# Altium PCB oxo.pcbdoc (part 2 of 3)
Units mm, origin at the board's own origin, x right, y up, seen from the top; angles counter-clockwise.
Board outline 198.24 x 185.82 mm, 6 copper layers (Top Layer, Inner1, Inner2, Inner3, 内层4, Bottom Layer); 54 components, 121 nets, 696 pads, 616 vias.
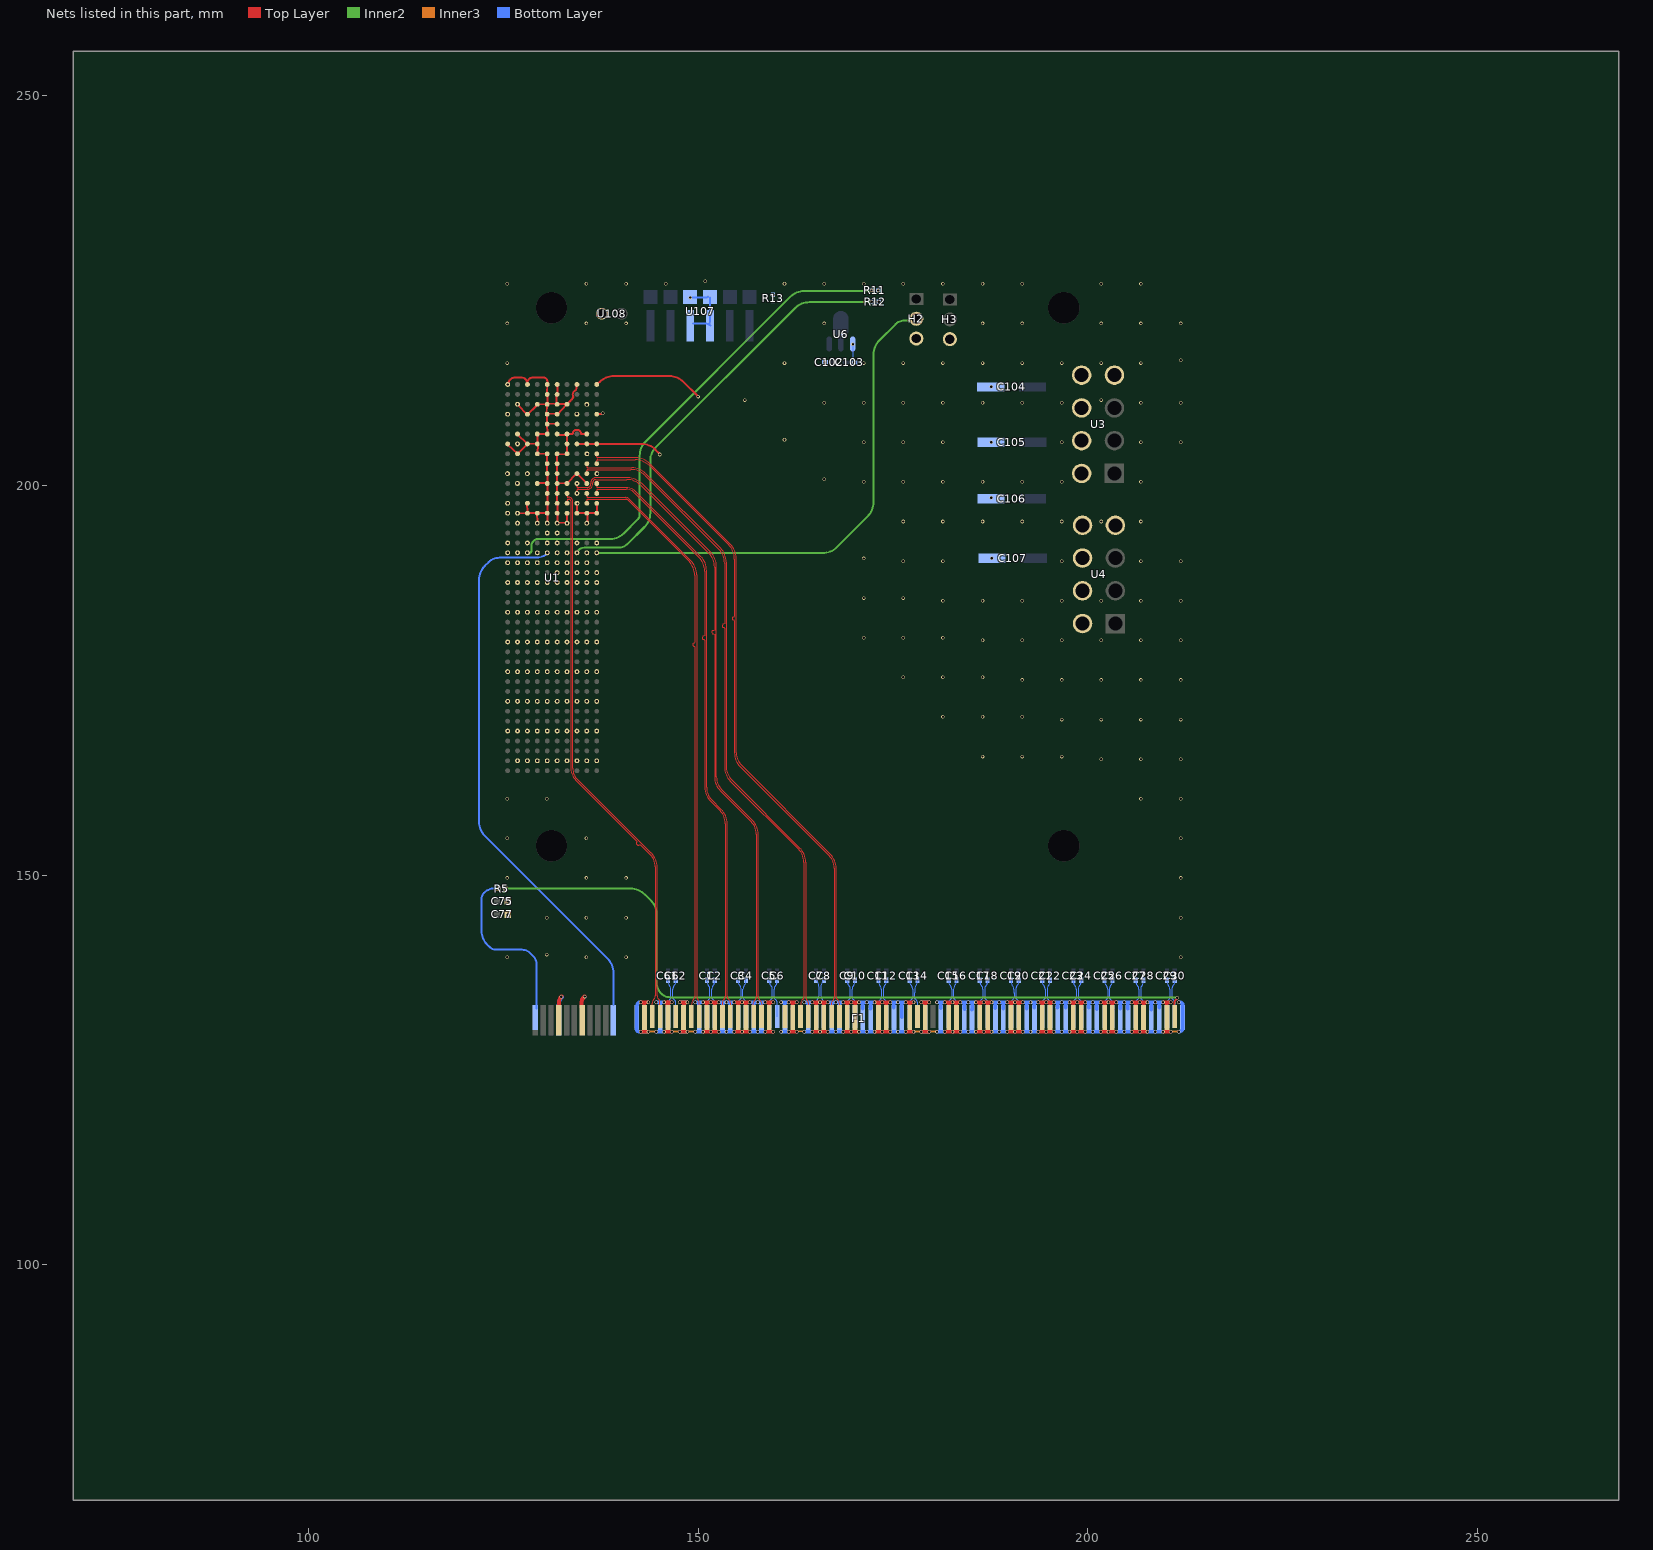
[diagram p6: the nets of this part, all layers, seen from the top]

## Via types
v1: diameter 0.45, hole 0.3, Top Layer to Bottom Layer, 616 vias

## Nets (pads, with @x,y where several pads share a name; then routed paths per layer and width w, separated by ;. In a path a pad name is that pad's centre, name@x,y a point inside that pad or via, vN(x,y) a via of type N, cw(c..) or ccw(c..) an arc to the next point about the centre after c; other vN are vias at no path point) (continued)
GND: C75.2 C77.2 C102.1 C103.1 C104.2 C105.2 C106.2 C107.2 F1.A4 F1.A12 F1.A15 F1.A18 F1.A20 F1.A23 F1.A24 F1.A27 F1.A28 F1.A31 F1.A34 F1.A37 F1.A38 F1.A41 F1.A42 F1.A45 F1.A46 F1.A49 F1.A51 F1.A54 F1.A55 F1.A58 F1.A59 F1.A62 F1.A63 F1.A66 F1.A67 F1.A70 F1.A71 F1.A74 F1.A75 F1.A78 F1.A79 F1.A82 F1.B4 F1.B7 F1.B13 F1.B16 F1.B18 F1.B21 F1.B22 F1.B25 F1.B26 F1.B29 F1.B32 F1.B35 F1.B36 F1.B39 F1.B40 F1.B43 F1.B44 F1.B47 F1.B49 F1.B52 F1.B53 F1.B56 F1.B57 F1.B60 F1.B61 F1.B64 F1.B65 F1.B68 F1.B69 F1.B72 F1.B73 F1.B76 F1.B77 F1.B80 H2.3 H3.3 R11.2 R12.2 R13.2 U1.A1 U1.A4 U1.A7 U1.A10 U1.A13 U1.A14 U1.A17 U1.A21 U1.A24 U1.A27 U1.A30 U1.A33 U1.A36 U1.A39 U1.B3 U1.B6 U1.B7 U1.B8 U1.B11 U1.B14 U1.B15 U1.B18 U1.B19 U1.B21 U1.B24 U1.B27 U1.B30 U1.B33 U1.B36 U1.B39 U1.C1 U1.C4 U1.C7 U1.C10 U1.C13 U1.C14 U1.C17 U1.C21 U1.C24 U1.C27 U1.C30 U1.C33 U1.C36 U1.C39 U1.D3 U1.D6 U1.D7 U1.D8 U1.D11 U1.D14 U1.D15 U1.D18 U1.D19 U1.D21 U1.D24 U1.D27 U1.D30 U1.D33 U1.D36 U1.D39 U1.E1 U1.E2 U1.E3 U1.E4 U1.E5 U1.E6 U1.E8 U1.E9 U1.E10 U1.E11 U1.E12 U1.E13 U1.E14 U1.E15 U1.E16 U1.E17 U1.E19 U1.E21 U1.E24 U1.E27 U1.E30 U1.E33 U1.E36 U1.E39 U1.F1 U1.F2 U1.F3 U1.F4 U1.F5 U1.F6 U1.F8 U1.F9 U1.F10 U1.F11 U1.F12 U1.F13 U1.F14 U1.F15 U1.F16 U1.F17 U1.F19 U1.F21 U1.F24 U1.F27 U1.F30 U1.F33 U1.F36 U1.F39 U1.G3 U1.G6 U1.G7 U1.G8 U1.G11 U1.G14 U1.G15 U1.G18 U1.G19 U1.G21 U1.G24 U1.G27 U1.G30 U1.G33 U1.G36 U1.G39 U1.H1 U1.H4 U1.H7 U1.H10 U1.H13 U1.H14 U1.H17 U1.H19 U1.H21 U1.H24 U1.H27 U1.H30 U1.H33 U1.H36 U1.H39 U1.J3 U1.J6 U1.J8 U1.J11 U1.J14 U1.J15 U1.J18 U1.J19 U1.J21 U1.J24 U1.J27 U1.J30 U1.J33 U1.J36 U1.J39 U1.K1 U1.K4 U1.K7 U1.K10 U1.K13 U1.K14 U1.K17 U1.K19 U1.K21 U1.K24 U1.K27 U1.K30 U1.K33 U1.K36 U3.4 U3.5 U3.6 U3.7 U3.8 U4.4 U4.5 U4.6 U4.7 U4.8 U6.1 U107.3 U107.4 U108.2 | length 324.8
  Top Layer w0.254: U1.K7@125.584,205.216 U1.J8@126.852,204.012 ; U1.K1@125.657,212.927 cw(c126.552,212.927) 126.552,213.822 127.328,213.822 cw(c127.328,213.073) U1.H1@128.077,213.073 ; U1.J6@126.725,206.484 126.861,206.493 U1.J6@126.904,206.496 ; U1.J14@126.839,196.434 U1.H14@128.137,196.401 ; U1.J3@126.852,210.357 U1.H4@128.097,208.991 ; U1.J8@126.881,204.012 U1.H7@128.091,205.234 ; U1.J6@126.882,206.473 U1.H7@128.027,205.39 ; U1.H13@128.073,197.74 U1.H14@128.146,196.473 ; U1.H4@128.079,209.049 U1.G3@129.353,210.287 ; U1.H1@128.104,213.069 128.104,213.127 cw(c128.783,213.127) 128.783,213.807 130.211,213.807 cw(c130.211,213.359) 130.659,213.359 U1.F1@130.659,212.944 ; U1.H7@128.126,205.326 129.405,205.28 U1.G7@129.405,205.245 ; U1.H14@128.146,196.436 U1.G14@129.342,196.436 ; U1.G14@129.34,196.473 U1.G14@129.342,196.436 ; U1.G3@129.365,210.345 130.654,210.419 U1.F4@130.563,209.147 ; U1.G15@129.377,195.241 U1.G14@129.342,196.436 ; U1.G11@129.377,200.275 U1.F11@130.499,200.275 ; U1.G7@129.405,205.308 U1.G6@129.405,206.519 ; U1.G7@129.406,205.28 U1.G7@129.411,205.28 ; U1.G7@129.449,205.308 129.377,204.004 U1.F8@130.608,204.04 ; U1.G6@129.486,206.571 U1.F6@130.672,206.565 ; U1.F14@130.608,196.436 U1.G14@129.342,196.436 ; U1.F2@130.609,211.816 U1.F1@130.654,212.904 ; U1.F4@130.615,209.205 U1.E4@131.981,209.112 ; U1.F4@130.616,209.148 U1.F5@130.644,207.873 ; U1.F8@130.644,204.077 130.649,202.762 U1.F11@130.659,200.275 ; U1.F5@130.65,207.954 U1.F6@130.672,206.565 ; U1.F11@130.66,200.222 U1.F15@130.68,195.169 ; U1.F5@130.661,207.891 U1.E5@131.97,207.868 ; U1.F2@130.667,211.677 130.701,210.461 U1.E3@131.865,210.426 ; U1.F6@130.673,206.542 U1.F6@130.672,206.565 ; U1.E2@131.871,211.653 131.871,210.539 ccw(c132.138,210.539) U1.E3@131.891,210.438 ; U1.E8@131.875,204.04 U1.E11@131.922,200.222 131.984,195.205 U1.D15@133.179,195.17 ; U1.E3@131.877,210.438 U1.E3@131.891,210.438 ; U1.E8@131.891,203.986 133.178,203.954 U1.D7@133.189,205.241 ; U1.E4@131.948,209.062 U1.D3@133.169,210.387 ; U1.E3@131.95,210.35 cw(c132.138,210.539) U1.E3@131.891,210.438 ; U1.E2@131.95,211.666 U1.E1@131.95,212.944 ; U1.E3@131.951,210.437 U1.D3@133.336,210.421 ; U1.E6@131.953,206.474 133.181,206.474 U1.D7@133.181,205.241 ; U1.E11@132.02,200.311 133.179,200.202 134.446,201.542 U1.B11@135.713,200.275 ; U1.D7@133.14,205.183 U1.D7@133.181,205.183 ; U1.D14@133.179,196.4 U1.D15@133.179,195.17 ; U1.D6@133.206,206.564 133.922,206.564 cw(c134.462,206.572) 135.002,206.58 cw(c134.462,206.572) 135.002,206.564 135.623,206.564 cw(c135.623,206.454) U1.B6@135.701,206.532 ; U1.D15@133.215,195.169 U1.D15@133.179,195.17 ; U1.D3@133.227,210.428 133.67,210.87 ccw(c131.873,212.666) 134.031,211.326 cw(c134.462,211.652) 134.367,212.184 ccw(c131.873,212.666) 134.413,212.666 U1.C1@134.413,212.774 ; U1.C7@134.444,205.306 142.737,205.306 cw(c142.737,202.766) 144.533,204.562 v1@145.087,204.007 ; U1.C13@134.446,197.808 U1.C14@134.478,196.36 ; U1.C14@134.51,196.44 U1.B14@135.701,196.456 ; U1.B14@135.729,196.417 U1.B14@135.798,196.417 ; U1.B15@135.798,195.137 U1.B14@135.798,196.417 ; U1.B14@135.798,196.456 U1.B14@135.798,196.417 ; U1.A1@136.988,212.857 137.403,213.271 cw(c139.199,211.475) 139.199,214.015 146.316,214.015 cw(c146.316,211.475) 148.112,213.271 v1@149.992,211.392 ; U1.A13@137.027,197.726 137.027,196.417 U1.B14@135.798,196.417 ; U1.A4@137.056,209.107 137.751,209.107 v1@137.751,209.194
  Top Layer w0.45: v1(142.636,129.93) v1(143.636,129.93) ; v1(142.636,133.692) v1(143.636,133.692) ; F1.B13@143.075,132.954 ccw(c142.889,133.14) F1.B13@143.126,133.025 ; 143.122,133.673 143.122,133.045 ccw(c143.175,133.045) F1.B13@143.126,133.025 ; F1.B13@143.137,133.008 cw(c143.175,133.045) F1.B13@143.126,133.025 ; F1.B13@143.199,132.977 ccw(c143.106,133.07) F1.B13@143.238,133.07 ; v1(145.636,129.93) v1(146.636,129.93) ; v1(145.636,133.692) v1(146.636,133.692) ; v1(147.636,129.93) v1(148.636,129.93) ; v1(147.636,133.692) v1(148.636,133.692) ; F1.B18@148.113,133.116 cw(c148.715,133.116) 148.289,133.541 148.351,133.603 ; v1(150.636,129.93) v1(151.636,129.93) v1(152.636,129.93) ; v1(150.636,133.692) v1(151.636,133.692) v1(152.636,133.692) ; 151.093,133.657 151.093,133.253 ccw(c151.287,133.253) F1.B21@151.15,133.116 ; F1.B22@152.119,133.044 152.119,133.642 ; v1(154.636,129.93) v1(155.636,129.93) v1(156.636,129.93) ; v1(154.636,133.692) v1(155.636,133.692) v1(156.636,133.692) ; 155.114,133.684 cw(c155.02,133.59) 155.153,133.59 F1.B25@155.153,133.235 ; F1.B26@156.136,133.052 156.136,133.571 cw(c156.159,133.571) 156.143,133.586 ; v1(158.636,129.93) v1(159.636,129.93) ; v1(158.636,133.692) v1(159.636,133.692) ; F1.B29@159.111,132.714 ccw(c159.033,132.792) 159.144,132.792 159.144,133.619 ; v1(161.636,129.93) v1(162.636,129.93) ; v1(161.636,133.692) v1(162.636,133.692) ; F1.B32@162.086,132.786 ccw(c161.961,132.911) 162.138,132.911 162.138,133.645 ; v1(164.636,129.93) v1(165.636,129.93) v1(166.636,129.93) ; v1(164.636,133.692) 165.126,133.692 ; F1.B35@165.126,132.818 165.126,133.692 ; 165.126,133.697 165.126,133.692 ; F1.B36@166.142,132.733 ccw(c166.126,132.749) 166.148,132.749 166.148,133.606 ; v1(166.636,133.692) v1(165.636,133.692) 165.126,133.692 ; v1(168.636,129.93) v1(169.636,129.93) v1(170.636,129.93) ; v1(168.636,133.692) v1(169.636,133.692) v1(170.636,133.692) ; 169.149,133.554 169.149,132.917 ccw(c169.216,132.917) F1.B39@169.169,132.87 ; F1.B40@170.098,132.67 ccw(c170.004,132.764) 170.137,132.764 170.137,133.646 ; v1(172.636,129.93) v1(173.636,129.93) v1(174.636,129.93) ; v1(172.636,133.692) v1(173.636,133.692) v1(174.636,133.692) ; 173.132,133.646 cw(c173.116,133.631) 173.138,133.631 F1.B43@173.138,132.501 ; F1.B44@174.107,132.831 ccw(c174.051,132.887) 174.13,132.887 174.13,133.633 ; v1(176.636,129.93) v1(177.636,129.93) ; v1(176.636,133.692) v1(177.636,133.692) ; F1.B47@177.09,132.782 ccw(c177.02,132.852) 177.119,132.852 177.119,133.534 ; v1(178.636,129.93) v1(179.636,129.93) ; v1(178.636,133.692) v1(179.636,133.692) ; F1.B49@179.124,133.034 ccw(c179.075,133.083) 179.144,133.083 179.144,133.572 ; v1(181.636,129.93) v1(182.636,129.93) v1(183.636,129.93) ; v1(181.636,133.692) v1(182.636,133.692) v1(183.636,133.692) ; F1.B52@182.118,132.948 ccw(c182.066,133.001) 182.14,133.001 182.14,133.599 ; F1.B53@183.112,132.784 ccw(c183.091,132.804) 183.121,132.804 183.121,133.599 ; v1(185.636,129.93) v1(186.636,129.93) v1(187.636,129.93) ; v1(185.636,133.692) v1(186.636,133.692) v1(187.636,133.692) ; F1.B56@186.094,132.966 ccw(c185.979,133.081) 186.141,133.081 186.141,133.625 ; 187.127,133.625 187.127,132.923 ccw(c187.171,132.923) F1.B57@187.14,132.892 ; v1(189.636,129.93) v1(190.636,129.93) v1(191.636,129.93) ; v1(189.636,133.692) v1(190.636,133.692) v1(191.636,133.692) ; F1.B60@190.121,132.961 ccw(c190.079,133.003) 190.138,133.003 190.138,133.608 ; 191.137,133.534 cw(c191.116,133.513) 191.145,133.513 F1.B61@191.145,132.931 ; v1(193.636,129.93) v1(194.636,129.93) v1(195.636,129.93) ; v1(193.636,133.692) v1(194.636,133.692) v1(195.636,133.692) ; F1.B64@194.096,132.961 ccw(c193.981,133.077) 194.144,133.077 194.144,133.595 ; F1.B65@195.108,132.988 ccw(c195.034,133.061) 195.138,133.061 195.138,133.66 ; v1(197.636,129.93) v1(198.636,129.93) v1(199.636,129.93) ; v1(197.636,133.692) v1(198.636,133.692) v1(199.636,133.692) ; F1.B68@198.08,132.675 ccw(c197.965,132.79) 198.128,132.79 198.128,133.656 ; 199.139,133.63 199.139,132.843 ccw(c199.273,132.843) F1.B69@199.178,132.749 ; v1(201.636,129.93) v1(202.636,129.93) v1(203.636,129.93) ; v1(201.636,133.692) v1(202.636,133.692) v1(203.636,133.692) ; 202.125,133.621 202.125,133.251 ccw(c202.184,133.251) F1.B72@202.142,133.209 ; 203.136,133.665 203.136,132.782 ccw(c203.196,132.782) F1.B73@203.154,132.74 ; v1(205.636,129.93) v1(206.636,129.93) v1(207.636,129.93) ; v1(205.636,133.692) v1(206.636,133.692) v1(207.636,133.692) ; 206.122,133.686 206.122,132.785 ccw(c206.167,132.785) F1.B76@206.135,132.753 ; 207.142,133.669 207.142,132.633 ccw(c207.157,132.633) F1.B77@207.146,132.623 ; v1(209.636,129.93) v1(210.636,129.93) ; v1(209.636,133.692) v1(210.636,133.692) ; 210.132,133.63 210.132,133.032 ccw(c210.251,133.032) F1.B80@210.167,132.948
  Top Layer w0.508: F1.B4@132.134,132.997 132.134,133.595 cw(c133.337,133.595) v1@132.486,134.445 ; F1.B7@135.043,133.134 135.043,133.561 cw(c136.31,133.561) v1@135.414,134.457
  Top Layer w0.559: 146.116,133.685 146.116,133.166 ccw(c146.169,133.166) F1.B16@146.132,133.128
  Inner3 w0.254: v1@143.598,129.957 v1@144.537,129.946 ; v1@146.684,129.957 v1@147.623,129.923 ; v1@148.656,129.923 v1@149.607,129.923 ; v1@162.647,129.981 v1@163.598,129.946 ; v1@177.68,129.953 v1@178.585,129.93 ; v1@179.733,129.918 v1@180.627,129.93 ; v1@210.627,129.93 v1@211.578,129.93
  Bottom Layer w0.132: U6.1@169.821,218.122 169.821,216.242 ccw(c170.526,216.242) C103.1@170.027,215.743
  Bottom Layer w0.254: U107.4@148.97,224.072 150.997,224.072 ccw(c150.997,224.473) U107.3@151.28,224.189 ; U107.4@149.322,220.744 150.932,220.744 cw(c150.932,219.808) U107.3@151.593,220.47 ; U107.3@151.398,220.705 ccw(c151.114,220.988) 151.515,220.988 U107.3@151.515,224.072
  Bottom Layer w0.45: v1(142.636,133.692) 142.488,133.692 ccw(c142.488,133.506) 142.357,133.637 ccw(c142.89,133.104) 142.136,133.104 F1.A12@142.136,131.758 142.136,130.15 ccw(c142.309,130.15) 142.187,130.027 ccw(c142.423,130.263) 142.423,129.93 v1(142.636,129.93) v1(143.636,129.93) ; v1(144.636,129.93) v1(145.636,129.93) ; v1(144.636,133.692) v1(145.636,133.692) ; F1.A15@145.104,132.637 ccw(c145.01,132.731) 145.143,132.731 F1.A15@145.143,132.938 ; F1.A15@145.107,132.938 cw(c145.169,133) 145.081,133 145.143,133.675 ; v1(147.636,129.93) v1(148.636,129.93) ; v1(147.636,133.692) 148.151,133.692 ; 148.151,133.701 148.151,133.692 ; F1.A18@148.19,132.607 cw(c148.284,132.702) 148.151,132.702 148.151,133.692 ; v1(148.636,133.692) 148.151,133.692 ; v1(149.636,129.93) v1(150.636,129.93) ; v1(149.636,133.692) v1(150.636,133.692) ; F1.A20@150.113,132.549 150.113,133.633 ; v1(152.636,129.93) v1(153.636,129.93) v1(154.636,129.93) ; v1(152.636,133.692) v1(153.636,133.692) v1(154.636,133.692) ; 153.111,133.623 cw(c153.04,133.552) 153.14,133.552 F1.A23@153.14,132.422 ; F1.A24@154.136,132.764 154.136,133.662 ; v1(156.636,129.93) v1(157.636,129.93) v1(158.636,129.93) ; v1(156.636,133.692) v1(157.636,133.692) v1(158.636,133.692) ; 157.144,133.681 157.144,132.719 ccw(c157.344,132.719) F1.A27@157.202,132.578 ; F1.A28@158.12,131.748 158.12,133.634 cw(c158.187,133.634) 158.14,133.681 ; v1(160.636,129.93) v1(161.636,129.93) ; v1(160.636,133.692) v1(161.636,133.692) ; F1.A31@161.059,132.529 ccw(c160.871,132.718) 161.137,132.718 161.137,133.554 ; v1(163.636,129.93) v1(164.636,129.93) ; v1(163.636,133.692) v1(164.636,133.692) ; F1.A34@164.135,132.432 ccw(c164.088,132.479) 164.155,132.479 164.155,133.594 ; v1(166.636,129.93) v1(167.636,129.93) v1(168.636,129.93) ; v1(166.636,133.692) v1(167.636,133.692) v1(168.636,133.692) ; 167.123,133.652 167.123,132.82 ccw(c167.19,132.82) F1.A37@167.143,132.773 ; 168.148,133.613 168.148,132.864 ccw(c168.248,132.864) F1.A38@168.178,132.793 ; v1(170.636,129.93) v1(171.636,129.93) v1(172.636,129.93) ; v1(170.636,133.692) v1(171.636,133.692) v1(172.636,133.692) ; F1.A41@171.136,132.89 171.136,133.603 ; F1.A42@172.103,132.861 ccw(c172.056,132.908) 172.123,132.908 172.123,133.603 ; v1(174.636,129.93) v1(175.636,129.93) v1(176.636,129.93) ; v1(174.636,133.692) v1(175.636,133.692) v1(176.636,133.692) ; F1.A45@175.101,132.998 ccw(c175.054,133.045) 175.12,133.045 175.12,133.623 ; F1.A46@176.13,131.755 ccw(c176.088,131.796) 176.147,131.796 176.147,133.618 ; v1(178.636,129.93) v1(179.636,129.93) ; v1(178.636,133.692) v1(179.636,133.692) ; F1.A49@179.131,132.972 ccw(c179.053,133.05) 179.164,133.05 179.164,133.59 ; v1(180.636,129.93) v1(181.636,129.93) ; v1(180.636,133.692) v1(181.636,133.692) ; F1.A51@181.125,132.928 ccw(c181.078,132.975) 181.144,132.975 181.144,133.631 ; v1(183.636,129.93) v1(184.636,129.93) v1(185.636,129.93) ; v1(183.636,133.692) v1(184.636,133.692) v1(185.636,133.692) ; 184.113,133.69 184.113,132.974 ccw(c184.335,132.974) F1.A54@184.178,132.817 ; F1.A55@185.102,132.739 ccw(c185.008,132.833) 185.141,132.833 185.141,133.69 ; v1(187.636,129.93) v1(188.636,129.93) v1(189.636,129.93) ; v1(187.636,133.692) v1(188.636,133.692) v1(189.636,133.692) ; 188.123,133.644 188.123,132.995 ccw(c188.189,132.995) F1.A58@188.142,132.947 ; F1.A59@189.112,132.83 ccw(c189.018,132.925) 189.151,132.925 189.151,133.69 ; v1(191.636,129.93) v1(192.636,129.93) v1(193.636,129.93) ; v1(191.636,133.692) v1(192.636,133.692) v1(193.636,133.692) ; 192.139,133.677 192.139,132.923 ccw(c192.206,132.923) F1.A62@192.159,132.876 ; F1.A63@193.09,133.019 ccw(c192.964,133.145) 193.142,133.145 193.142,133.69 ; v1(195.636,129.93) v1(196.636,129.93) v1(197.636,129.93) ; v1(195.636,133.692) v1(196.636,133.692) v1(197.636,133.692) ; F1.A66@196.091,133.013 ccw(c195.981,133.123) 196.136,133.123 196.136,133.618 ; F1.A67@197.126,133 ccw(c197.094,133.031) 197.139,133.031 197.139,133.566 ; v1(199.636,129.93) v1(200.636,129.93) v1(201.636,129.93) ; v1(199.636,133.692) v1(200.636,133.692) v1(201.636,133.692) ; F1.A70@200.12,133.006 ccw(c200.089,133.037) 200.133,133.037 200.133,133.54 ; F1.A71@201.11,132.817 ccw(c201,132.927) 201.155,132.927 201.155,133.546 ; v1(203.636,129.93) v1(204.636,129.93) v1(205.636,129.93) ; v1(203.636,133.692) v1(204.636,133.692) v1(205.636,133.692) ; 204.111,133.559 cw(c204.001,133.449) 204.156,133.449 F1.A74@204.156,132.882 ; F1.A75@205.1,132.837 ccw(c205.053,132.884) 205.12,132.884 205.12,133.598 ; v1(207.636,129.93) v1(208.636,129.93) v1(209.636,129.93) ; v1(207.636,133.692) v1(208.636,133.692) v1(209.636,133.692) ; 208.114,133.592 208.114,132.768 ccw(c208.136,132.768) F1.A78@208.121,132.752 ; F1.A79@209.13,132.973 ccw(c209.114,132.989) 209.136,132.989 209.136,133.605 ; v1(211.636,129.93) 211.676,129.93 ccw(c211.676,130.468) 212.056,130.087 ccw(c211.865,130.279) 212.136,130.279 F1.A82@212.136,131.758 212.136,133.457 ccw(c212.036,133.457) 212.106,133.527 ccw(c211.709,133.13) 211.709,133.692 v1(211.636,133.692)
  Bottom Layer w0.508: F1.A4@132.12,133.124 132.12,133.356 cw(c133.573,133.356) v1@132.545,134.384
  other v1: 132.467,134.41 135.449,134.422 125.523,139.47 135.683,139.47 140.763,139.47 211.883,139.47 130.603,139.81 130.603,144.55 135.683,144.55 140.763,144.55 211.883,144.55 125.551,144.893 125.668,146.632 125.523,149.63 135.683,149.63 140.763,149.63 211.883,149.63 125.523,154.71 135.683,154.71 211.883,154.71 125.523,159.79 130.603,159.79 206.803,159.79 211.883,159.79 126.842,164.662 128.112,164.662 129.382,164.662 130.652,164.662 131.922,164.662 133.192,164.662 134.462,164.662 135.732,164.662 137.002,164.662 201.723,164.87 206.803,164.87 211.883,164.87 186.483,165.21 191.563,165.21 196.643,165.21 125.572,168.472 126.842,168.472 128.112,168.472 129.382,168.472 130.652,168.472 131.922,168.472 133.192,168.472 134.462,168.472 135.732,168.472 137.002,168.472 196.643,169.95 201.723,169.95 206.803,169.95 211.883,169.95 181.403,170.29 186.483,170.29 191.563,170.29 125.572,172.282 126.842,172.282 128.112,172.282 129.382,172.282 130.652,172.282 131.922,172.282 133.192,172.282 134.462,172.282 135.732,172.282 137.002,172.282 191.563,175.03 196.643,175.03 201.723,175.03 206.803,175.03 211.883,175.03 176.323,175.37 181.403,175.37 186.483,175.37 125.572,176.092 126.842,176.092 128.112,176.092 129.382,176.092 130.652,176.092 131.922,176.092 133.192,176.092 134.462,176.092 135.732,176.092 137.002,176.092 125.572,179.902 126.842,179.902 128.112,179.902 129.382,179.902 130.652,179.902 131.922,179.902 133.192,179.902 134.462,179.902 135.732,179.902 137.002,179.902 186.483,180.11 191.563,180.11 196.643,180.11 201.723,180.11 206.803,180.11 211.883,180.11 171.243,180.45 176.323,180.45 181.403,180.45 125.572,183.712 126.842,183.712 128.112,183.712 129.382,183.712 130.652,183.712 131.922,183.712 133.192,183.712 134.462,183.712 135.732,183.712 137.002,183.712 181.403,185.19 186.483,185.19 191.563,185.19 196.643,185.19 201.723,185.19 206.803,185.19 211.883,185.19 171.243,185.53 176.323,185.53 125.572,187.522 126.842,187.522 128.112,187.522 129.382,187.522 130.652,187.522 131.922,187.522 133.192,187.522 134.462,187.522 135.732,187.522 137.002,187.522 125.572,190.062 126.842,190.062 128.112,190.062 129.382,190.062 130.652,190.062 131.922,190.062 133.192,190.062 135.732,190.062 176.323,190.27 181.403,190.27 196.643,190.27 206.803,190.27 211.883,190.27 171.243,190.61 187.644,190.633 126.842,191.332 129.382,191.332 133.192,191.332 135.732,191.332 125.572,192.602 128.112,192.602 130.652,192.602 131.922,192.602 134.462,192.602 137.002,192.602 130.652,193.872 131.922,193.872 126.842,195.142 129.382,195.142 130.652,195.142 131.922,195.142 133.192,195.142 135.732,195.142 176.323,195.35 181.403,195.35 186.483,195.35 191.563,195.35 196.643,195.35 201.723,195.35 206.803,195.35 125.572,196.412 126.842,196.412 134.527,197.663 125.572,197.682 187.579,198.402 126.825,200.242 171.243,200.43 176.323,200.43 181.403,200.43 186.483,200.43 191.563,200.43 196.643,200.43 206.803,200.43 166.163,200.77 125.536,201.472 137.053,201.469 128.112,201.492 145.104,203.943 135.765,204.005 187.579,205.495 171.243,205.51 176.323,205.51 181.403,205.51 196.643,205.51 206.803,205.51 211.883,205.51 161.083,205.85 125.572,209.112 134.46,209.177 137.794,209.22 135.709,210.319 126.842,210.382 166.163,210.59 171.243,210.59 176.323,210.59 181.403,210.59 186.483,210.59 191.563,210.59 196.643,210.59 206.803,210.59 211.883,210.59 156.003,210.93 201.723,210.93 149.992,211.376 187.598,212.645 125.59,212.917 125.523,215.67 161.083,215.67 171.243,215.67 176.323,215.67 181.403,215.67 186.483,215.67 191.563,215.67 196.643,215.67 201.723,215.67 206.803,215.67 166.266,215.751 170.017,215.751 211.883,216.01 169.861,218.083 125.523,220.75 135.683,220.75 140.763,220.75 166.163,220.75 186.483,220.75 191.563,220.75 201.723,220.75 206.803,220.75 211.883,220.75 173.192,223.555 149.009,224.072 159.664,224.435 173.099,224.976 125.523,225.83 135.683,225.83 140.763,225.83 145.843,225.83 161.083,225.83 166.163,225.83 171.243,225.83 176.323,225.83 181.403,225.83 186.483,225.83 191.563,225.83 201.723,225.83 206.803,225.83 150.923,226.17
I2CADDR0: R11.1 U1.H18 | length 63.5
  Inner2 w0.254: v1@128.219,191.178 128.337,191.178 128.556,191.396 ccw(c128.422,191.53) 128.611,191.53 128.611,192.271 cw(c129.279,192.271) 128.807,192.744 129.021,192.958 cw(c129.355,192.624) 129.355,193.096 138.734,193.096 ccw(c138.734,195.502) 140.435,193.801 142.289,195.655 ccw(c141.754,196.189) 142.51,196.189 142.51,203.805 cw(c145.05,203.805) 143.254,205.601 161.81,224.157 cw(c163.606,222.361) 163.606,224.901 v1@172.245,224.901
  other v1: 128.112,191.332 172.244,224.98
I2CADDR1: R12.1 U1.C18 | length 55.7
  Inner2 w0.254: v1@134.42,191.422 134.681,191.683 cw(c135.438,190.925) 135.438,191.997 139.738,191.997 ccw(c139.738,193.779) 140.998,192.519 143.125,194.646 ccw(c141.329,196.442) 143.869,196.442 143.869,203.194 cw(c146.138,203.194) 144.534,204.799 162.467,222.732 cw(c164.263,220.936) 164.263,223.476 v1@172.112,223.476
  other v1: 134.462,191.332 172.272,223.513
JTAG_SEL: U1.C19
  other v1: 134.462,190.062
JTAG_TCLK: U1.C20
  other v1: 134.462,188.792
JTAG_TDI: U1.E20
  other v1: 131.922,188.792
JTAG_TDO: U1.D20
  other v1: 133.192,188.792
JTAG_TMS: U1.B20
  other v1: 135.732,188.792
JTAG_TRST#: U1.A20
  other v1: 137.002,188.792
PCIET0+: C61.1 F1.A16 | length 4.9
  Bottom Layer w0.131: F1.A16@146.136,131.858 146.136,133.695 cw(c146.39,133.695) 146.21,133.874 146.445,134.109 ccw(c146.266,134.289) 146.52,134.289 146.519,134.98 cw(c146.525,134.98) 146.521,134.985 ccw(c146.517,134.989) 146.523,134.989 146.523,135.377 ccw(c145.864,135.377) 146.33,135.843 cw(c146.796,136.309) 146.137,136.309 C61.1@146.137,136.562
PCIET0-: C62.1 F1.A17 | length 4.9
  Bottom Layer w0.131: F1.A17@147.136,131.858 147.136,133.695 ccw(c146.882,133.695) 147.061,133.874 146.826,134.109 cw(c147.006,134.289) 146.752,134.289 146.752,134.887 ccw(c146.745,134.894) 146.755,134.894 146.755,135.377 cw(c147.415,135.377) 146.949,135.843 ccw(c146.483,136.309) 147.142,136.309 C62.1@147.142,136.562
PCIET1+: C1.1 F1.A21 | length 4.9
  Bottom Layer w0.131: F1.A21@151.136,131.858 151.136,133.695 cw(c151.39,133.695) 151.21,133.874 151.445,134.109 ccw(c151.266,134.289) 151.52,134.289 151.519,134.982 ; C1.1@151.138,136.562 151.138,136.307 ccw(c151.792,136.307) 151.33,135.845 cw(c150.867,135.383) 151.521,135.383 151.521,134.986
PCIET1-: C2.1 F1.A22 | length 4.9
  Bottom Layer w0.131: F1.A22@152.136,131.858 152.136,133.695 ccw(c151.882,133.695) 152.061,133.874 151.826,134.109 cw(c152.006,134.289) 151.752,134.289 151.752,134.887 ccw(c151.749,134.89) 151.754,134.89 151.754,135.383 cw(c152.407,135.383) 151.945,135.845 ccw(c151.483,136.307) 152.137,136.307 C2.1@152.137,136.562
PCIET2+: C3.1 F1.A25 | length 4.9
  Bottom Layer w0.131: F1.A25@155.136,131.858 155.136,133.695 cw(c155.39,133.695) 155.21,133.874 155.445,134.109 ccw(c155.266,134.289) 155.52,134.289 155.519,134.982 ; C3.1@155.137,136.562 155.137,136.307 ccw(c155.792,136.307) 155.329,135.845 cw(c154.866,135.382) 155.521,135.382 155.521,134.985
PCIET2-: C4.1 F1.A26 | length 4.9
  Bottom Layer w0.131: 155.752,134.887 155.752,134.289 ccw(c156.006,134.289) 155.826,134.109 156.061,133.874 cw(c155.882,133.695) 156.136,133.695 F1.A26@156.136,131.858 ; 155.752,134.887 ccw(c155.75,134.889) 155.753,134.889 155.753,135.382 cw(c156.408,135.382) 155.945,135.845 ccw(c155.482,136.307) 156.137,136.307 C4.1@156.137,136.562
PCIET3+: C5.1 F1.A29 | length 4.9
  Bottom Layer w0.131: F1.A29@159.136,131.858 159.136,133.695 cw(c159.39,133.695) 159.21,133.874 159.445,134.109 ccw(c159.266,134.289) 159.52,134.289 159.52,134.887 ; C5.1@159.137,136.562 159.137,136.308 ccw(c159.791,136.308) 159.329,135.845 cw(c158.866,135.382) 159.52,135.382 159.52,134.909
PCIET3-: C6.1 F1.A30 | length 4.9
  Bottom Layer w0.131: 159.752,134.887 159.752,134.289 ccw(c160.006,134.289) 159.826,134.109 160.061,133.874 cw(c159.882,133.695) 160.136,133.695 F1.A30@160.136,131.858 ; 159.753,134.897 159.753,135.382 cw(c160.408,135.382) 159.945,135.845 ccw(c159.482,136.308) 160.137,136.308 C6.1@160.137,136.562
PCIET4+: C7.1 F1.A35 | length 4.9
  Bottom Layer w0.132: C7.1@165.132,136.562 cw(c164.208,135.637) 165.516,135.637 165.516,134.538 ; F1.A35@165.136,131.858 165.136,133.637 cw(c165.708,133.637) 165.303,134.042 ccw(c164.808,134.538) 165.509,134.538
PCIET4-: C8.1 F1.A36 | length 5
  Bottom Layer w0.132: 165.91,134.098 cw(c165.366,133.554) 166.136,133.554 F1.A36@166.136,131.858 ; 165.962,134.05 cw(c166.477,134.565) 165.749,134.565 165.749,135.637 cw(c167.057,135.637) C8.1@166.132,136.562
PCIET5+: C9.1 F1.A39 | length 4.9
  Bottom Layer w0.131: F1.A39@169.136,131.858 169.136,133.695 cw(c169.39,133.695) 169.21,133.874 169.445,134.109 ccw(c169.266,134.289) 169.52,134.289 169.52,134.887 cw(c169.523,134.891) 169.518,134.891 169.518,135.386 ccw(c168.867,135.386) 169.327,135.846 cw(c169.787,136.306) 169.137,136.306 C9.1@169.137,136.562
PCIET5-: C10.1 F1.A40 | length 4.9
  Bottom Layer w0.131: 169.751,134.984 cw(c169.754,134.986) 169.75,134.986 169.75,135.386 cw(c170.401,135.386) 169.941,135.846 ccw(c169.481,136.306) 170.131,136.306 C10.1@170.131,136.562 ; 169.751,134.984 cw(c169.749,134.981) 169.752,134.981 169.752,134.289 ccw(c170.006,134.289) 169.826,134.109 170.061,133.874 cw(c169.882,133.695) 170.136,133.695 F1.A40@170.136,131.858
PCIET6+: C11.1 F1.A43 | length 4.9
  Bottom Layer w0.131: F1.A43@173.136,131.858 173.136,133.695 cw(c173.39,133.695) 173.21,133.874 173.445,134.109 ccw(c173.266,134.289) 173.52,134.289 173.519,134.982 ; C11.1@173.137,136.562 173.137,136.308 ccw(c173.791,136.308) 173.328,135.845 cw(c172.865,135.382) 173.52,135.382 173.52,134.985
PCIET6-: C12.1 F1.A44 | length 4.9
  Bottom Layer w0.131: F1.A44@174.136,131.858 174.136,133.695 ccw(c173.882,133.695) 174.061,133.874 173.826,134.109 cw(c174.006,134.289) 173.752,134.289 173.753,135.382 cw(c174.408,135.382) 173.945,135.845 ccw(c173.482,136.308) 174.137,136.308 C12.1@174.137,136.562
PCIET7+: C13.1 F1.A47 | length 4.9
  Bottom Layer w0.131: F1.A47@177.136,131.858 177.136,133.695 cw(c177.39,133.695) 177.21,133.874 177.445,134.109 ccw(c177.266,134.289) 177.52,134.289 177.519,134.98 cw(c177.527,134.98) 177.521,134.985 ccw(c177.516,134.99) 177.524,134.99 177.524,135.382 ccw(c176.869,135.382) 177.332,135.845 cw(c177.795,136.308) 177.14,136.308 C13.1@177.14,136.562
PCIET7-: C14.1 F1.A48 | length 4.9
  Bottom Layer w0.131: F1.A48@178.136,131.858 178.136,133.695 ccw(c177.882,133.695) 178.061,133.874 177.826,134.109 cw(c178.006,134.289) 177.752,134.289 177.752,134.887 ccw(c177.743,134.897) 177.756,134.897 177.756,135.382 cw(c178.411,135.382) 177.948,135.845 ccw(c177.485,136.308) 178.14,136.308 C14.1@178.14,136.562
PCIET8+: C15.1 F1.A52 | length 4.9
  Bottom Layer w0.131: F1.A52@182.136,131.858 182.136,133.695 cw(c182.39,133.695) 182.21,133.874 182.445,134.109 ccw(c182.266,134.289) 182.52,134.289 182.519,134.982 ; C15.1@182.137,136.562 182.137,136.308 ccw(c182.791,136.308) 182.328,135.845 cw(c181.865,135.382) 182.52,135.382 182.52,134.985
PCIET8-: C16.1 F1.A53 | length 4.9
  Bottom Layer w0.131: F1.A53@183.136,131.858 183.136,133.695 ccw(c182.882,133.695) 183.061,133.874 182.826,134.109 cw(c183.006,134.289) 182.752,134.289 182.753,135.382 cw(c183.408,135.382) 182.945,135.845 ccw(c182.482,136.308) 183.137,136.308 C16.1@183.137,136.562
PCIET9+: C17.1 F1.A56 | length 4.9
  Bottom Layer w0.131: C17.1@186.134,136.562 186.134,136.308 ccw(c186.789,136.308) 186.326,135.845 cw(c185.863,135.382) 186.518,135.382 186.518,134.89 ccw(c186.523,134.89) 186.519,134.887 ; F1.A56@186.136,131.858 186.136,133.695 cw(c186.39,133.695) 186.21,133.874 186.445,134.109 ccw(c186.266,134.289) 186.52,134.289 186.52,134.887
PCIET9-: C18.1 F1.A57 | length 4.9
  Bottom Layer w0.131: 186.751,134.986 186.751,135.382 cw(c187.405,135.382) 186.942,135.845 ccw(c186.479,136.308) 187.134,136.308 C18.1@187.134,136.562 ; 186.752,134.982 186.752,134.289 ccw(c187.006,134.289) 186.826,134.109 187.061,133.874 cw(c186.882,133.695) 187.136,133.695 F1.A57@187.136,131.858
PCIET10+: C19.1 F1.A60 | length 4.9
  Bottom Layer w0.131: C19.1@190.133,136.562 190.133,136.308 ccw(c190.788,136.308) 190.325,135.845 cw(c189.862,135.382) 190.517,135.382 190.517,134.892 ccw(c190.525,134.892) 190.519,134.887 190.52,134.289 cw(c190.266,134.289) 190.445,134.109 190.21,133.874 ccw(c190.39,133.695) 190.136,133.695 F1.A60@190.136,131.858
PCIET10-: C20.1 F1.A61 | length 4.9
  Bottom Layer w0.131: C20.1@191.133,136.562 191.133,136.308 cw(c190.478,136.308) 190.942,135.845 ccw(c191.405,135.382) 190.75,135.382 190.75,134.987 ccw(c190.754,134.987) 190.751,134.984 cw(c190.748,134.981) 190.752,134.981 190.752,134.289 ccw(c191.006,134.289) 190.826,134.109 191.061,133.874 cw(c190.882,133.695) 191.136,133.695 F1.A61@191.136,131.858
PCIET11+: C21.1 F1.A64 | length 4.9
  Bottom Layer w0.131: C21.1@194.133,136.562 194.133,136.309 ccw(c194.791,136.309) 194.325,135.844 cw(c193.86,135.378) 194.518,135.378 ; F1.A64@194.136,131.858 194.136,133.695 cw(c194.39,133.695) 194.21,133.874 194.445,134.109 ccw(c194.266,134.289) 194.52,134.289 194.52,135.378
PCIET11-: C22.1 F1.A65 | length 5.1
  Bottom Layer w0.131: 194.752,134.717 194.752,134.887 ; F1.A65@195.136,131.858 195.136,133.695 ccw(c194.882,133.695) 195.061,133.874 194.826,134.109 cw(c195.006,134.289) 194.752,134.289 194.752,134.887 ; C22.1@195.137,136.562 195.137,136.309 cw(c194.478,136.309) 194.944,135.844 ccw(c195.409,135.378) 194.751,135.378 194.751,134.912 cw(c194.52,134.887) 194.752,134.887
PCIET12+: C23.1 F1.A68 | length 4.9
  Bottom Layer w0.131: F1.A68@198.136,131.858 198.136,133.695 cw(c198.39,133.695) 198.21,133.874 198.445,134.109 ccw(c198.266,134.289) 198.52,134.289 198.519,134.982 ; C23.1@198.137,136.562 198.137,136.308 ccw(c198.791,136.308) 198.328,135.845 cw(c197.865,135.382) 198.52,135.382 198.52,134.985
PCIET12-: C24.1 F1.A69 | length 4.9
  Bottom Layer w0.131: F1.A69@199.136,131.858 199.136,133.695 ccw(c198.882,133.695) 199.061,133.874 198.826,134.109 cw(c199.006,134.289) 198.752,134.289 198.753,135.382 cw(c199.408,135.382) 198.945,135.845 ccw(c198.482,136.308) 199.137,136.308 C24.1@199.137,136.562
PCIET13+: C25.1 F1.A72 | length 4.9
  Bottom Layer w0.131: F1.A72@202.136,131.858 202.136,133.695 cw(c202.39,133.695) 202.21,133.874 202.445,134.109 ccw(c202.266,134.289) 202.52,134.289 202.52,135.381 ccw(c201.865,135.381) 202.328,135.845 cw(c202.791,136.308) 202.136,136.308 C25.1@202.136,136.562
PCIET13-: C26.1 F1.A73 | length 4.9
  Bottom Layer w0.131: F1.A73@203.136,131.858 203.136,133.695 ccw(c202.882,133.695) 203.061,133.874 202.826,134.109 cw(c203.006,134.289) 202.752,134.289 202.753,135.381 cw(c203.408,135.381) 202.945,135.845 ccw(c202.481,136.308) 203.137,136.308 C26.1@203.137,136.562
PCIET14+: C27.1 F1.A76 | length 4.9
  Bottom Layer w0.131: F1.A76@206.136,131.858 206.136,133.695 cw(c206.39,133.695) 206.21,133.874 206.445,134.109 ccw(c206.266,134.289) 206.52,134.289 206.52,134.887 ; C27.1@206.137,136.562 206.137,136.305 ccw(c206.786,136.305) 206.327,135.846 cw(c205.867,135.387) 206.517,135.387 206.517,134.892 ccw(c206.524,134.892) 206.519,134.887
PCIET14-: C28.1 F1.A77 | length 4.9
  Bottom Layer w0.131: C28.1@207.13,136.562 207.13,136.305 cw(c206.481,136.305) 206.94,135.846 ccw(c207.399,135.387) 206.75,135.387 206.75,134.987 ccw(c206.754,134.987) 206.751,134.984 cw(c206.748,134.981) 206.752,134.981 206.752,134.289 ccw(c207.006,134.289) 206.826,134.109 207.061,133.874 cw(c206.882,133.695) 207.136,133.695 F1.A77@207.136,131.858
PCIET15+: C29.1 F1.A80 | length 4.9
  Bottom Layer w0.131: F1.A80@210.136,131.858 210.136,133.695 cw(c210.39,133.695) 210.21,133.874 210.445,134.109 ccw(c210.265,134.289) 210.519,134.289 210.519,134.982 ; C29.1@210.137,136.562 210.137,136.308 ccw(c210.792,136.308) 210.329,135.845 cw(c209.866,135.382) 210.52,135.382 210.52,134.985
PCIET15-: C30.1 F1.A81 | length 4.9
  Bottom Layer w0.131: F1.A81@211.136,131.858 211.136,133.695 ccw(c210.882,133.695) 211.061,133.874 210.826,134.109 cw(c211.006,134.289) 210.752,134.289 210.753,135.382 cw(c211.408,135.382) 210.945,135.845 ccw(c210.482,136.308) 211.137,136.308 C30.1@211.137,136.562
PERST#: F1.A11 U1.F18 | length 72.2
  Bottom Layer w0.254: v1@130.818,191.356 cw(c129.259,192.916) 129.259,190.71 124.534,190.71 ccw(c124.534,188.725) 123.131,190.129 122.655,189.653 ccw(c124.451,187.857) 121.911,187.857 121.911,156.818 ccw(c124.451,156.818) 122.655,155.022 138.414,139.263 cw(c136.618,137.466) 139.158,137.466 F1.A11@139.158,133.311
  other v1: 130.652,191.332
PRSNT1: F1.A1 R5.1 | length 22.3
  Bottom Layer w0.254: v1@124.51,148.314 123.962,148.314 ccw(c123.962,146.313) 122.547,147.728 ccw(c123.325,146.95) 122.225,146.95 122.225,142.861 ccw(c124.765,142.861) 122.969,141.064 123.221,140.812 ccw(c124.141,141.732) 124.141,140.431 127.412,140.431 cw(c127.412,138.945) 128.462,139.996 128.877,139.581 cw(c127.957,138.661) 129.258,138.661 F1.A1@129.258,132.87
  other v1: 124.414,148.231
PRSNT2: F1.B17 F1.B31 F1.B48 F1.B81 R5.2 | length 98.8
  Top Layer w0.254: F1.B81@211.07,133.147 211.07,133.376 cw(c212.199,133.376) v1@211.4,134.174
  Inner2 w0.254: v1@125.321,148.263 141.339,148.263 cw(c141.339,145.723) 143.136,147.519 144.036,146.618 cw(c142.524,145.106) 144.662,145.106 144.662,136.251 ccw(c146.668,136.251) 145.25,134.833 ccw(c146.479,136.062) 146.479,134.324 211.329,134.32 cw(c211.329,134.21) v1@211.406,134.288
  other v1: 211.437,134.265 125.293,148.231
PRSNT2#_SXM: U1.J7
  other v1: 126.842,205.302
PWR_BRAKE#: U1.E18
  other v1: 131.922,191.332
PWR_EN: H2.2 U1.A18 | length 65.5
  Inner2 w0.254: v1@137.085,191.296 165.985,191.296 ccw(c165.985,193.836) 167.781,192.04 171.755,196.014 ccw(c169.959,197.81) 172.499,197.81 172.499,216.77 cw(c175.039,216.77) 173.243,218.566 175.329,220.652 cw(c176.532,219.449) 176.532,221.15 177.648,221.15 ccw(c177.648,221.952) H2.2@178.215,221.385
  other v1: 137.002,191.332
PWR_GOOD: U1.K18
  other v1: 125.572,191.332
RX0+: F1.B14 U1.D13 | length 71.9
  Top Layer w0.131: F1.B14@144.114,131.869 144.114,133.582 cw(c144.771,133.582) 144.306,134.047 ccw(c143.81,134.543) 144.512,134.532 144.512,134.547 144.512,134.538
  Top Layer w0.132: U1.D13@133.192,197.682 133.192,198.041 cw(c133.351,198.041) 133.238,198.154 cw(c133.351,198.041) 133.351,198.2 133.465,198.2 cw(c133.465,197.991) 133.675,197.991 133.675,163.712 ccw(c135.883,163.712) 134.322,162.15 142.157,154.315 142.157,154.183 142.097,154.123 142.097,153.991 142.235,153.853 142.367,153.853 142.427,153.913 142.559,153.913 143.861,152.612 cw(c142.291,151.041) 144.512,151.041 144.512,134.547
RX0-: F1.B15 U1.D12 | length 71.9
  Top Layer w0.131: 144.011,152.791 144.025,152.776 cw(c142.291,151.041) 144.744,151.041 144.744,134.536 ; 144.744,134.526 ccw(c145.481,134.587) 144.958,134.064 144.975,134.047 cw(c144.64,133.712) 145.114,133.712 F1.B15@145.114,131.869
  Top Layer w0.132: U1.D12@133.192,198.952 133.192,198.593 ccw(c133.351,198.593) 133.238,198.481 ccw(c133.351,198.593) 133.351,198.434 133.465,198.434 cw(c133.465,197.991) 133.909,197.991 133.909,163.712 ccw(c135.883,163.712) 134.487,162.316 144.01,152.792
RX1+: F1.B19 U1.B13 | length 74.5
  Top Layer w0.132: U1.B13@135.732,197.682 135.732,198.041 cw(c135.891,198.041) 135.778,198.154 cw(c135.891,198.041) 135.891,198.2 140.738,198.2 cw(c140.738,197.887) 140.96,198.108 148.837,190.232 cw(c147.041,188.436) 149.581,188.436 149.581,179.85 149.487,179.756 149.42,179.756 149.327,179.663 149.327,179.469 149.42,179.375 149.487,179.375 149.581,179.282 149.581,134.429 cw(c149.165,134.429) 149.462,134.138 ccw(c150.233,133.383) F1.B19@149.176,133.166
RX1-: F1.B20 U1.B12 | length 74.5
  Top Layer w0.132: U1.B12@135.732,198.952 135.732,198.594 ccw(c135.891,198.594) 135.778,198.481 ccw(c135.891,198.594) 135.891,198.434 140.741,198.434 cw(c140.741,197.894) 141.123,198.276 149.071,190.329 cw(c147.274,188.532) 149.814,188.532 149.814,134.429 ccw(c150.192,134.429) 149.89,134.202 cw(c148.731,133.329) F1.B20@150.177,133.209
RX2+: F1.B23 U1.A12 | length 76.4
  Top Layer w0.132: U1.A12@137.002,198.952 137.002,199.311 cw(c137.161,199.311) 137.048,199.424 cw(c137.161,199.311) 137.161,199.47 140.762,199.47 cw(c140.762,197.943) 141.842,199.023 150.107,190.758 cw(c148.311,188.962) 150.851,188.962 150.851,180.7 150.757,180.607 150.612,180.607 150.519,180.514 150.519,180.319 150.612,180.226 150.757,180.226 150.851,180.133 150.851,161.264 ccw(c153.391,161.264) 151.595,159.468 152.819,158.244 cw(c151.189,156.613) 153.495,156.613 153.495,134.44 cw(c153.031,134.44) 153.325,134.081 ccw(c153.634,133.706) 153.181,133.882 ccw(c154.441,133.392) F1.B23@153.129,133.066
RX2-: F1.B24 U1.A11 | length 76.4
  Top Layer w0.132: U1.A11@137.002,200.222 137.002,199.863 ccw(c137.161,199.863) 137.048,199.751 ccw(c137.161,199.863) 137.161,199.704 140.762,199.704 cw(c140.762,197.943) 142.007,199.188 150.341,190.855 cw(c148.544,189.059) 151.084,189.059 151.084,161.264 ccw(c153.391,161.264) 151.76,159.634 152.985,158.409 cw(c151.189,156.613) 153.729,156.613 153.729,134.44 ccw(c154.111,134.44) 153.875,134.139 cw(c153.431,133.573) 154.135,133.72 cw(c152,133.275) F1.B24@154.167,133.028
RX3+: F1.B27 U1.C12 | length 82.8
  Top Layer w0.132: v1(134.462,198.952) 134.462,199.311 cw(c134.621,199.311) 134.508,199.424 cw(c134.621,199.311) 134.621,199.47 135.787,199.47 ccw(c135.787,200.163) 136.479,200.163 136.479,200.328 cw(c136.886,200.328) 136.886,200.735 140.866,200.735 cw(c140.866,198.195) 142.662,199.991 151.371,191.282 cw(c149.575,189.486) 152.115,189.486 152.115,181.434 152.022,181.34 151.844,181.34 151.751,181.247 151.751,181.053 151.844,180.959 152.022,180.959 152.115,180.866 152.115,162.608 ccw(c154.655,162.608) 152.859,160.812 156.801,156.871 cw(c155.17,155.24) 157.477,155.24 157.477,134.396 cw(c156.881,134.396) 157.263,133.939 ccw(c157.832,133.371) F1.B27@157.033,133.278
RX3-: F1.B28 U1.C11 | length 82.8
  Top Layer w0.132: v1(134.462,200.222) 134.462,199.863 ccw(c134.621,199.863) 134.508,199.751 ccw(c134.621,199.863) 134.621,199.704 135.787,199.704 ccw(c135.787,200.163) 136.245,200.163 136.245,200.328 cw(c136.886,200.328) 136.886,200.969 140.963,200.969 cw(c140.963,198.429) 142.759,200.225 151.605,191.378 cw(c149.809,189.582) 152.349,189.582 152.349,162.608 ccw(c154.655,162.608) 153.025,160.978 156.966,157.036 cw(c155.17,155.24) 157.71,155.24 157.71,134.396 ccw(c158.198,134.396) 157.83,134.076 158.043,133.836 cw(c157.523,133.376) F1.B28@158.203,133.233
RX4+: F1.B33 U1.B10 | length 84.8
  Top Layer w0.132: U1.B10@135.732,201.492 135.732,201.851 cw(c135.891,201.851) 135.778,201.964 cw(c135.891,201.851) 135.891,202.01 141.394,202.01 cw(c141.394,199.47) 143.19,201.266 152.647,191.81 cw(c150.851,190.014) 153.391,190.014 153.391,182.255 153.297,182.162 153.193,182.162 153.1,182.068 153.1,181.874 153.193,181.781 153.297,181.781 153.391,181.687 153.391,163.862 ccw(c155.931,163.862) 154.135,162.066 162.896,153.305 cw(c161.266,151.674) 163.572,151.674 163.572,134.309 cw(c163.336,134.309) 163.474,134.118 ccw(c163.924,133.491) 163.155,133.553 ccw(c174.357,132.645) F1.B33@163.13,133.171
RX4-: F1.B34 U1.B9 | length 84.8
  Top Layer w0.132: U1.B9@135.732,202.762 135.732,202.403 ccw(c135.891,202.403) 135.778,202.291 ccw(c135.891,202.403) 135.891,202.244 141.491,202.244 cw(c141.491,199.704) 143.287,201.5 152.881,191.907 cw(c151.084,190.111) 153.624,190.111 153.624,163.862 ccw(c155.931,163.862) 154.3,162.232 163.062,153.47 cw(c161.266,151.674) 163.806,151.674 163.806,134.309 ccw(c164.208,134.309) 163.976,133.98 cw(c163.601,133.604) 164.132,133.598 ccw(c178.06,133.436) F1.B34@164.133,133.187
RX5+: F1.B37 U1.A9 | length 86.7
  Top Layer w0.132: U1.A9@137.002,202.762 137.002,203.121 cw(c137.161,203.121) 137.048,203.234 cw(c137.161,203.121) 137.161,203.28 141.92,203.28 cw(c141.92,200.74) 143.716,202.536 153.917,192.336 cw(c152.121,190.54) 154.661,190.54 154.661,183.194 154.567,183.1 154.455,183.1 154.361,183.007 154.361,182.813 154.455,182.719 154.567,182.719 154.661,182.626 154.661,165.687 ccw(c157.201,165.687) 155.405,163.891 166.8,152.496 cw(c165.17,150.865) 167.476,150.865 167.476,134.31 cw(c167.129,134.31) 167.353,134.045 ccw(c168.079,133.319) F1.B37@167.054,133.258
RX5-: F1.B38 U1.A8 | length 86.7
  Top Layer w0.132: U1.A8@137.002,204.032 137.002,203.673 ccw(c137.161,203.673) 137.048,203.561 ccw(c137.161,203.673) 137.161,203.514 142.017,203.514 cw(c142.017,200.974) 143.813,202.77 154.151,192.433 cw(c152.354,190.637) 154.894,190.637 154.894,165.687 ccw(c157.201,165.687) 155.57,164.056 166.966,152.661 cw(c165.17,150.865) 167.71,150.865 167.71,134.31 ccw(c167.978,134.31) 167.825,134.09 cw(c167.425,133.51) 168.115,133.654 cw(c166.291,133.274) F1.B38@168.153,133.225